# KiCad board Wonderland.kicad_pcb
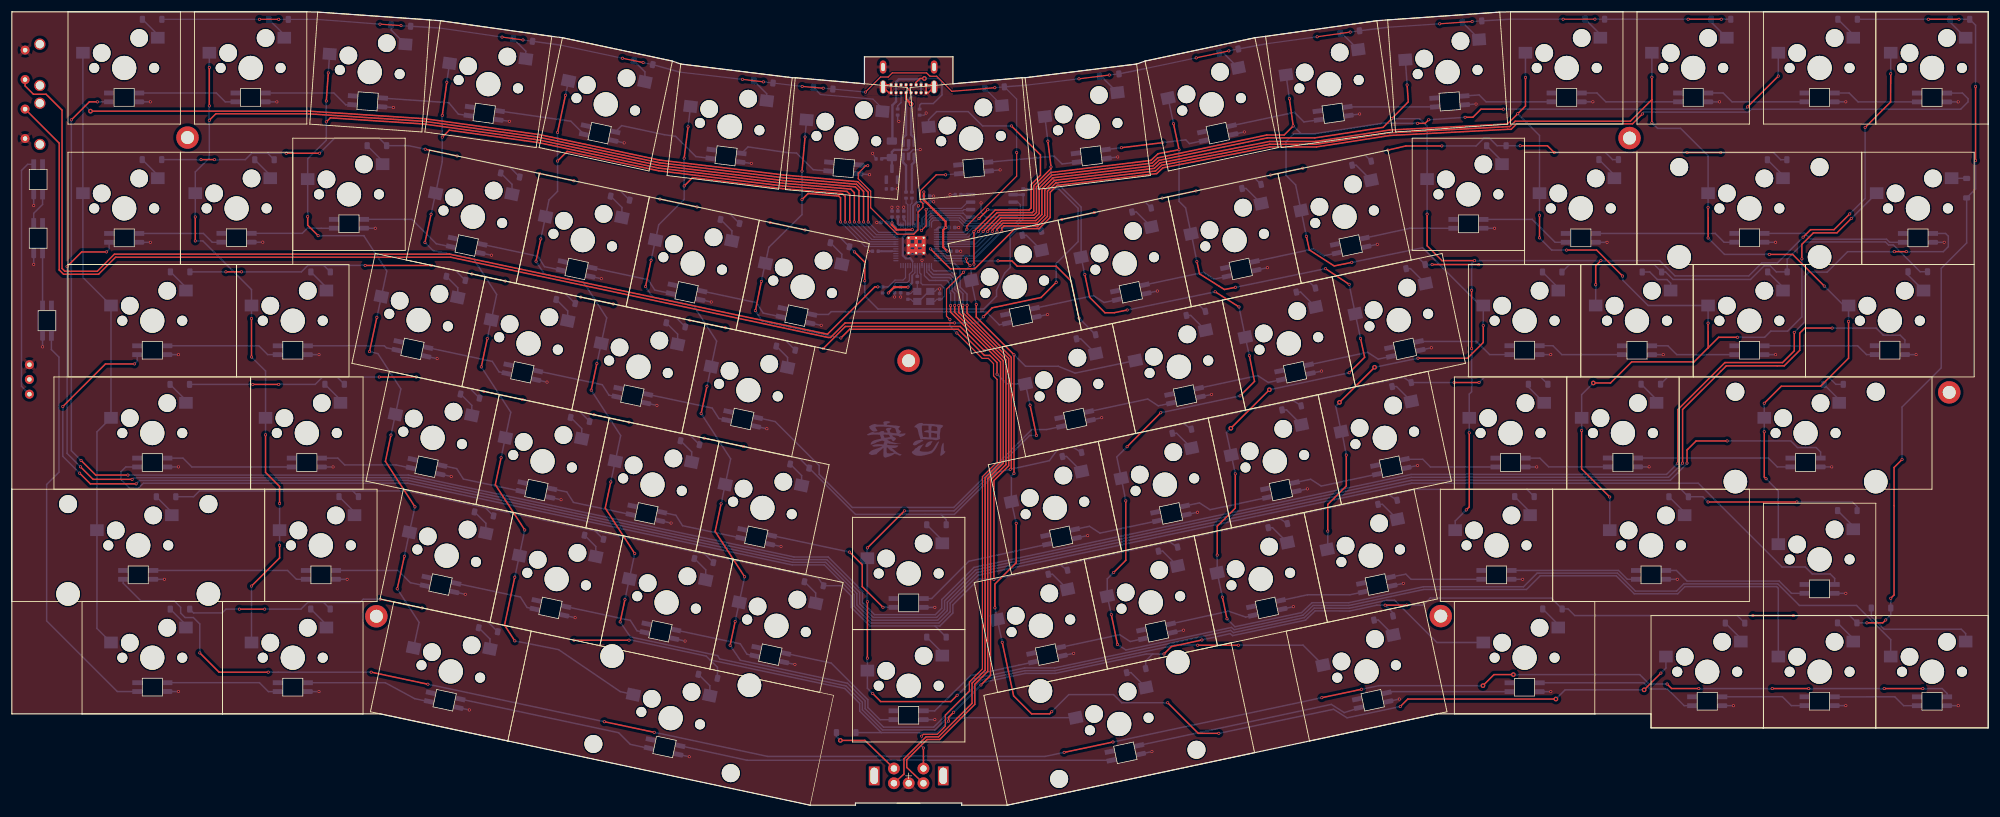
[diagram p0: board, top side]
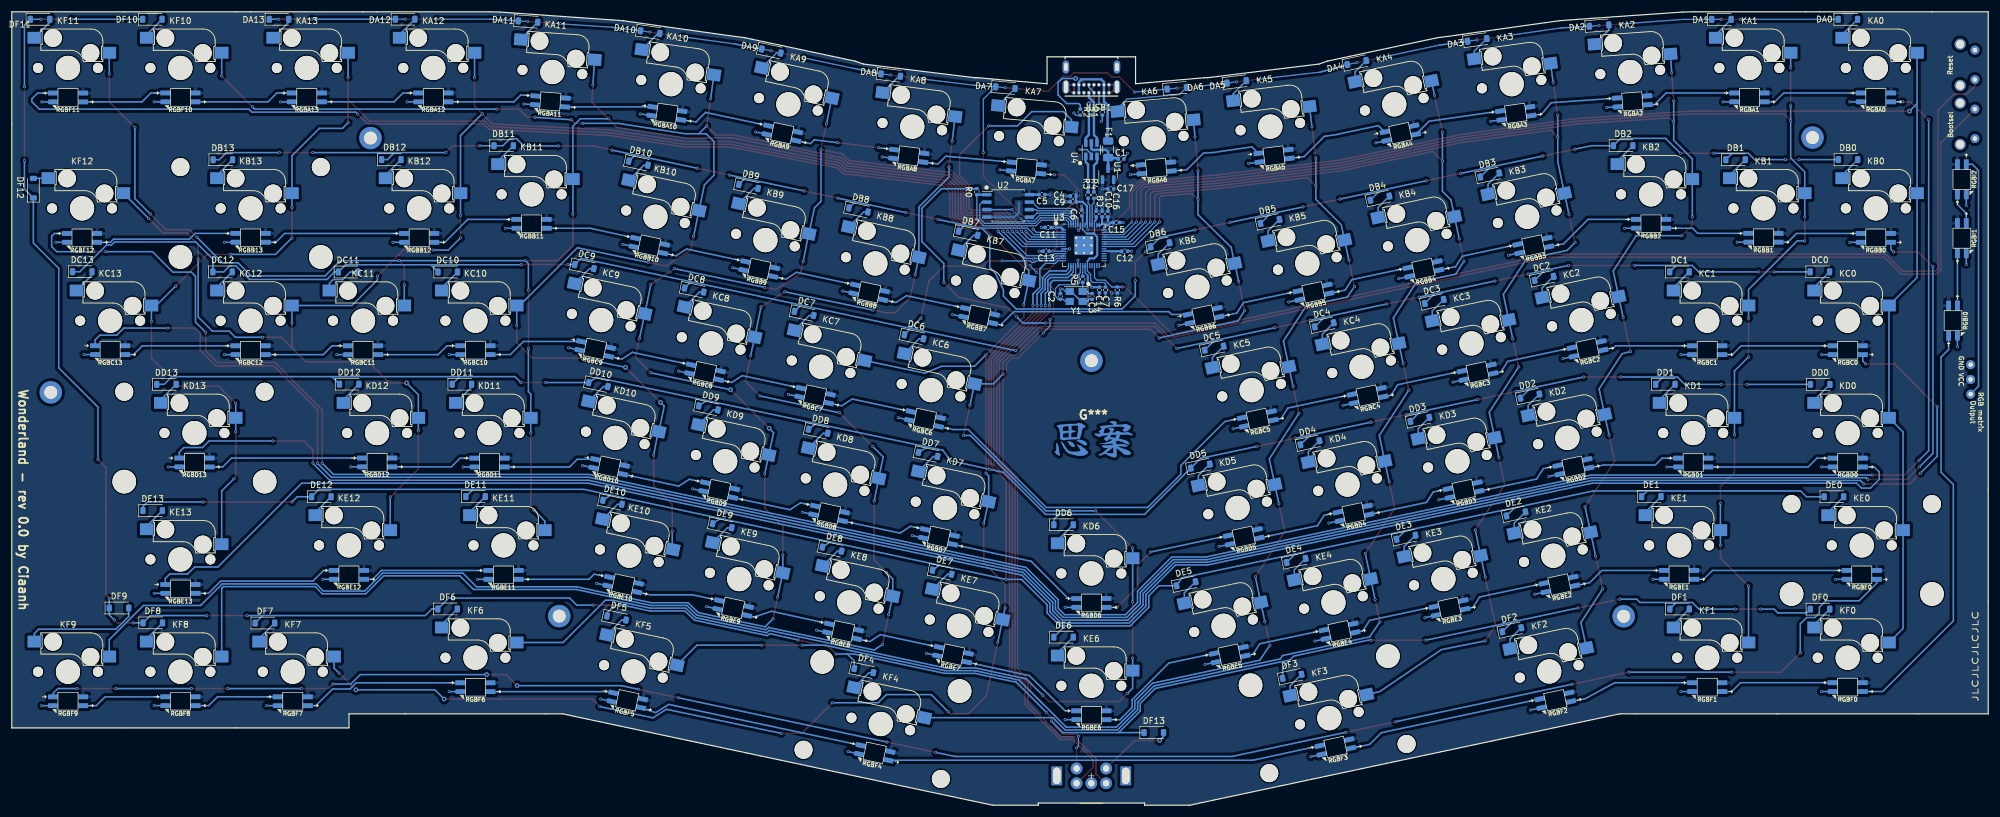
[diagram p1: board, bottom side, seen from below]

Outline 334.99 x 134.55 mm; copper layers: Top, Bottom. Coordinates in mm from the lower left corner of the outline.
Outline path: 0,134.55 0,15.49 62.45,15.49 84.07,10.89 135.32,0 143,0 143,0.38 161,0.38 161,0 168.72,0 210.65,8.91 241.58,15.49 277.84,15.49 277.84,13.11 334.99,13.11 334.99,134.55 254.03,134.55 252.2,134.5 233.2,133.17 231.38,133.04 212.51,130.38 210.7,130.15 192.07,126.19 190.65,125.69 171.75,123.37 171.25,123.37 159.52,122.35 159.52,126.92 144.52,126.92 144.52,122.35 132.79,123.37 132.29,123.37 113.38,125.69 111.97,126.19 93.34,130.15 91.53,130.38 72.66,133.04 70.84,133.17 51.84,134.5 50.01,134.55 0,134.55
Stack: Top 0.035mm / dielectric 1.51mm FR4 er 4.5 / Bottom 0.035mm

## Placement (name value [footprint] x y rotation side)
C1  1uF  [C_0402_1005Metric]  146.97 109.6 0 bottom
C2  22pF  [C_0402_1005Metric]  157.27 86.28 270 bottom
C3  22pF  [C_0402_1005Metric]  151.89 86.28 90 bottom
C4  1uF  [C_0402_1005Metric]  155.08 103.32 0 bottom
C5  100nF  [C_0402_1005Metric]  160.39 103.54 180 bottom
C6  100nF  [C_0402_1005Metric]  153.63 100.43 90 bottom
C7  100nF  [C_0402_1005Metric]  149.62 87.38 270 bottom
C8  1uF  [C_0402_1005Metric]  151.19 100.26 90 bottom
C9  100nF  [C_0402_1005Metric]  155.09 102.33 0 bottom
C10  1uF  [C_0402_1005Metric]  150.19 100.26 90 bottom
C11  100nF  [C_0402_1005Metric]  159.34 97.97 0 bottom
C12  100nF  [C_0402_1005Metric]  146.37 93.95 180 bottom
C13  100nF  [C_0402_1005Metric]  159.69 93.96 0 bottom
C14  100nF  [C_0402_1005Metric]  150.66 87.38 270 bottom
C15  100nF  [C_0402_1005Metric]  147.77 98.81 180 bottom
C16  100nF  [C_0402_1005Metric]  149.19 100.25 90 bottom
C17  10uF  [C_0402_1005Metric]  148.71 104.51 0 bottom
DA0  1N4148  [D_SOD-123]  23.79 133.27 180 bottom
DA1  1N4148  [D_SOD-123]  45.22 133.26 180 bottom
DA2  1N4148  [D_SOD-123]  65.95 132.22 176 bottom
DA3  1N4148  [D_SOD-123]  86.62 129.78 172 bottom
DA4  1N4148  [D_SOD-123]  107.01 125.94 168 bottom
DA5  1N4148  [D_SOD-123]  127.38 122.67 173 bottom
DA6  1N4148  [D_SOD-123]  137.52 121.59 175 bottom
DA7  1N4148  [D_SOD-123]  166.59 121.68 185 bottom
DA8  1N4148  [D_SOD-123]  186.02 123.82 187 bottom
DA9  1N4148  [D_SOD-123]  206.27 127.9 192 bottom
DA10  1N4148  [D_SOD-123]  226.8 131.1 188 bottom
DA11  1N4148  [D_SOD-123]  247.5 132.89 184 bottom
DA12  1N4148  [D_SOD-123]  268.33 133.29 180 bottom
DA13  1N4148  [D_SOD-123]  289.71 133.28 180 bottom
DB0  1N4148  [D_SOD-123]  23.76 109.48 180 bottom
DB1  1N4148  [D_SOD-123]  42.83 109.46 180 bottom
DB2  1N4148  [D_SOD-123]  61.88 111.85 180 bottom
DB3  1N4148  [D_SOD-123]  84.48 106.87 168 bottom
DB4  1N4148  [D_SOD-123]  103.11 102.95 168 bottom
DB5  1N4148  [D_SOD-123]  121.74 98.99 168 bottom
DB6  1N4148  [D_SOD-123]  140.36 95.04 168 bottom
DB7  1N4148  [D_SOD-123]  172.89 96.99 192 bottom
DB8  1N4148  [D_SOD-123]  191.49 100.94 192 bottom
DB9  1N4148  [D_SOD-123]  210.13 104.93 192 bottom
DB10  1N4148  [D_SOD-123]  228.79 108.88 192 bottom
DB11  1N4148  [D_SOD-123]  251.63 111.84 180 bottom
DB12  1N4148  [D_SOD-123]  270.67 109.48 180 bottom
DB13  1N4148  [D_SOD-123]  299.22 109.46 180 bottom
DC0  1N4148  [D_SOD-123]  28.54 90.45 180 bottom
DC1  1N4148  [D_SOD-123]  52.34 90.43 180 bottom
DC2  1N4148  [D_SOD-123]  75.27 89.34 168 bottom
DC3  1N4148  [D_SOD-123]  93.89 85.42 168 bottom
DC4  1N4148  [D_SOD-123]  112.54 81.47 168 bottom
DC5  1N4148  [D_SOD-123]  131.19 77.51 168 bottom
DC6  1N4148  [D_SOD-123]  182.08 79.44 192 bottom
DC7  1N4148  [D_SOD-123]  200.7 83.4 192 bottom
DC8  1N4148  [D_SOD-123]  219.34 87.36 192 bottom
DC9  1N4148  [D_SOD-123]  237.95 91.34 192 bottom
DC10  1N4148  [D_SOD-123]  261.1 90.42 180 bottom
DC11  1N4148  [D_SOD-123]  278 90.42 180 bottom
DC12  1N4148  [D_SOD-123]  299.27 90.44 180 bottom
DC13  1N4148  [D_SOD-123]  323.06 90.47 180 bottom
DD0  1N4148  [D_SOD-123]  28.48 71.36 180 bottom
DD1  1N4148  [D_SOD-123]  54.72 71.38 180 bottom
DD2  1N4148  [D_SOD-123]  77.67 69.38 168 bottom
DD3  1N4148  [D_SOD-123]  96.33 65.42 168 bottom
DD4  1N4148  [D_SOD-123]  114.96 61.47 168 bottom
DD5  1N4148  [D_SOD-123]  133.54 57.51 168 bottom
DD6  1N4148  [D_SOD-123]  156.73 47.56 180 bottom
DD7  1N4148  [D_SOD-123]  179.69 59.48 192 bottom
DD8  1N4148  [D_SOD-123]  198.32 63.42 192 bottom
DD9  1N4148  [D_SOD-123]  216.92 67.38 192 bottom
DD10  1N4148  [D_SOD-123]  235.58 71.34 192 bottom
DD11  1N4148  [D_SOD-123]  258.71 71.39 180 bottom
DD12  1N4148  [D_SOD-123]  277.81 71.4 180 bottom
DD13  1N4148  [D_SOD-123]  308.78 71.37 180 bottom
DE0  1N4148  [D_SOD-123]  26.15 52.31 180 bottom
DE1  1N4148  [D_SOD-123]  57.11 52.33 180 bottom
DE2  1N4148  [D_SOD-123]  80.04 49.4 168 bottom
DE3  1N4148  [D_SOD-123]  98.68 45.44 168 bottom
DE4  1N4148  [D_SOD-123]  117.3 41.5 168 bottom
DE5  1N4148  [D_SOD-123]  135.96 37.56 168 bottom
DE6  1N4148  [D_SOD-123]  156.73 28.5 180 bottom
DE7  1N4148  [D_SOD-123]  177.31 39.51 192 bottom
DE8  1N4148  [D_SOD-123]  195.97 43.43 192 bottom
DE9  1N4148  [D_SOD-123]  214.58 47.41 192 bottom
DE10  1N4148  [D_SOD-123]  233.19 51.37 192 bottom
DE11  1N4148  [D_SOD-123]  256.39 52.33 180 bottom
DE12  1N4148  [D_SOD-123]  282.53 52.31 180 bottom
DE13  1N4148  [D_SOD-123]  311.12 49.96 180 bottom
DF0  1N4148  [D_SOD-123]  28.51 33.25 180 bottom
DF1  1N4148  [D_SOD-123]  52.32 33.27 180 bottom
DF2  1N4148  [D_SOD-123]  80.75 29.76 168 bottom
DF3  1N4148  [D_SOD-123]  117.99 21.86 168 bottom
DF4  1N4148  [D_SOD-123]  190.58 22.83 192 bottom
DF5  1N4148  [D_SOD-123]  232.5 31.74 192 bottom
DF6  1N4148  [D_SOD-123]  261.13 33.28 180 bottom
DF7  1N4148  [D_SOD-123]  292.09 30.89 180 bottom
DF8  1N4148  [D_SOD-123]  311.1 30.92 180 bottom
DF9  1N4148  [D_SOD-123]  316.83 33.44 180 bottom
DF10  1N4148  [D_SOD-123]  311.17 133.28 180 bottom
DF11  1N4148  [D_SOD-123]  330.21 133.27 180 bottom
DF12  1N4148  [D_SOD-123]  331.34 104.64 90 bottom
DF13  1N4148  [D_SOD-123]  141.43 12.31 180 bottom
F1  500mA  [Fuse_1206_3216Metric]  149.17 111.23 270 bottom
G***  LOGO  [signature]  151.66 62.07 180 bottom
J3  Conn_01x03  [conn_3pins]  2.98 72.2 90 top
JUSB1  USB Port  [GCT_USB4085-GF-A_REVA4]  152 124.85 0 bottom
KA0  CPG151101S11-1  [SW_Cherry_MX_1.00u_Hotswap]  9.53 134.55 0 top
KA1  CPG151101S11-1  [SW_Cherry_MX_1.00u_Hotswap]  30.96 134.55 0 top
KA2  CPG151101S11-1  [SW_Cherry_MX_1.00u_Hotswap]  51.84 134.5 356 top
KA3  CPG151101S11-1  [SW_Cherry_MX_1.00u_Hotswap]  72.66 133.04 352 top
KA4  CPG151101S11-1  [SW_Cherry_MX_1.00u_Hotswap]  93.34 130.15 348 top
KA5  CPG151101S11-1  [SW_Cherry_MX_1.00u_Hotswap]  113.38 125.69 353 top
KA6  CPG151101S11-1  [SW_Cherry_MX_1.00u_Hotswap]  132.79 123.37 355 top
KA7  CPG151101S11-1  [SW_Cherry_MX_1.00u_Hotswap]  152.27 121.71 5 top
KA8  CPG151101S11-1  [SW_Cherry_MX_1.00u_Hotswap]  171.75 123.37 7 top
KA9  CPG151101S11-1  [SW_Cherry_MX_1.00u_Hotswap]  192.07 126.19 12 top
KA10  CPG151101S11-1  [SW_Cherry_MX_1.00u_Hotswap]  212.51 130.38 8 top
KA11  CPG151101S11-1  [SW_Cherry_MX_1.00u_Hotswap]  233.2 133.17 4 top
KA12  CPG151101S11-1  [SW_Cherry_MX_1.00u_Hotswap]  254.03 134.55 0 top
KA13  CPG151101S11-1  [SW_Cherry_MX_1.00u_Hotswap]  275.46 134.55 0 top
KB0  CPG151101S11-1  [SW_Cherry_MX_1.00u_Hotswap]  9.53 110.74 0 top
KB1  CPG151101S11-1  [SW_Cherry_MX_1.00u_Hotswap]  28.58 110.74 0 top
KB2  CPG151101S11-1  [SW_Cherry_MX_1.00u_Hotswap]  47.62 113.12 0 top
KB3  CPG151101S11-1  [SW_Cherry_MX_1.00u_Hotswap]  70.8 111.09 348 top
KB4  CPG151101S11-1  [SW_Cherry_MX_1.00u_Hotswap]  89.44 107.13 348 top
KB5  CPG151101S11-1  [SW_Cherry_MX_1.00u_Hotswap]  108.07 103.17 348 top
KB6  CPG151101S11-1  [SW_Cherry_MX_1.00u_Hotswap]  126.71 99.21 348 top
KB7  CPG151101S11-1  [SW_Cherry_MX_1.00u_Hotswap]  158.7 95.25 12 top
KB8  CPG151101S11-1  [SW_Cherry_MX_1.00u_Hotswap]  177.33 99.21 12 top
KB9  CPG151101S11-1  [SW_Cherry_MX_1.00u_Hotswap]  195.97 103.17 12 top
KB10  CPG151101S11-1  [SW_Cherry_MX_1.00u_Hotswap]  214.6 107.13 12 top
KB11  CPG151101S11-1  [SW_Cherry_MX_1.00u_Hotswap]  237.36 113.12 0 top
KB12  CPG151101S11-1  [SW_Cherry_MX_1.00u_Hotswap]  256.41 110.74 0 top
KB13  CPG151101S11-1  [SW_Cherry_MX_2.00u_Hotswap]  275.46 110.74 0 top
KC0  CPG151101S11-1  [SW_Cherry_MX_1.50u_Hotswap]  9.53 91.69 0 top
KC1  CPG151101S11-1  [SW_Cherry_MX_1.00u_Hotswap]  38.1 91.69 0 top
KC2  CPG151101S11-1  [SW_Cherry_MX_1.00u_Hotswap]  61.61 93.57 348 top
KC3  CPG151101S11-1  [SW_Cherry_MX_1.00u_Hotswap]  80.24 89.61 348 top
KC4  CPG151101S11-1  [SW_Cherry_MX_1.00u_Hotswap]  98.88 85.65 348 top
KC5  CPG151101S11-1  [SW_Cherry_MX_1.00u_Hotswap]  117.51 81.69 348 top
KC6  CPG151101S11-1  [SW_Cherry_MX_1.00u_Hotswap]  167.89 77.73 12 top
KC7  CPG151101S11-1  [SW_Cherry_MX_1.00u_Hotswap]  186.53 81.69 12 top
KC8  CPG151101S11-1  [SW_Cherry_MX_1.00u_Hotswap]  205.16 85.65 12 top
KC9  CPG151101S11-1  [SW_Cherry_MX_1.00u_Hotswap]  223.79 89.61 12 top
KC10  CPG151101S11-1  [SW_Cherry_MX_1.00u_Hotswap]  246.89 91.69 0 top
KC11  CPG151101S11-1  [SW_Cherry_MX_1.00u_Hotswap]  265.94 91.69 0 top
KC12  CPG151101S11-1  [SW_Cherry_MX_1.00u_Hotswap]  284.99 91.69 0 top
KC13  CPG151101S11-1  [SW_Cherry_MX_1.50u_Hotswap]  304.04 91.69 0 top
KD0  CPG151101S11-1  [SW_Cherry_MX_1.75u_Hotswap]  7.14 72.64 0 top
KD1  CPG151101S11-1  [SW_Cherry_MX_1.00u_Hotswap]  40.48 72.64 0 top
KD2  CPG151101S11-1  [SW_Cherry_MX_1.00u_Hotswap]  63.99 73.59 348 top
KD3  CPG151101S11-1  [SW_Cherry_MX_1.00u_Hotswap]  82.63 69.63 348 top
KD4  CPG151101S11-1  [SW_Cherry_MX_1.00u_Hotswap]  101.26 65.67 348 top
KD5  CPG151101S11-1  [SW_Cherry_MX_1.00u_Hotswap]  119.89 61.71 348 top
KD6  CPG151101S11-1  [SW_Cherry_MX_1.00u_Hotswap]  142.49 48.83 0 top
KD7  CPG151101S11-1  [SW_Cherry_MX_1.00u_Hotswap]  165.51 57.74 12 top
KD8  CPG151101S11-1  [SW_Cherry_MX_1.00u_Hotswap]  184.14 61.71 12 top
KD9  CPG151101S11-1  [SW_Cherry_MX_1.00u_Hotswap]  202.78 65.67 12 top
KD10  CPG151101S11-1  [SW_Cherry_MX_1.00u_Hotswap]  221.41 69.63 12 top
KD11  CPG151101S11-1  [SW_Cherry_MX_1.00u_Hotswap]  244.51 72.64 0 top
KD12  CPG151101S11-1  [SW_Cherry_MX_1.00u_Hotswap]  263.56 72.64 0 top
KD13  CPG151101S11-1  [SW_Cherry_MX_2.25u_Hotswap]  282.61 72.64 0 top
KE0  CPG151101S11-1  [SW_Cherry_MX_2.25u_Hotswap]  0 53.59 0 top
KE1  CPG151101S11-1  [SW_Cherry_MX_1.00u_Hotswap]  42.86 53.59 0 top
KE2  CPG151101S11-1  [SW_Cherry_MX_1.00u_Hotswap]  66.37 53.61 348 top
KE3  CPG151101S11-1  [SW_Cherry_MX_1.00u_Hotswap]  85.01 49.64 348 top
KE4  CPG151101S11-1  [SW_Cherry_MX_1.00u_Hotswap]  103.64 45.68 348 top
KE5  CPG151101S11-1  [SW_Cherry_MX_1.00u_Hotswap]  122.27 41.72 348 top
KE6  CPG151101S11-1  [SW_Cherry_MX_1.00u_Hotswap]  142.49 29.78 0 top
KE7  CPG151101S11-1  [SW_Cherry_MX_1.00u_Hotswap]  163.13 37.76 12 top
KE8  CPG151101S11-1  [SW_Cherry_MX_1.00u_Hotswap]  181.76 41.72 12 top
KE9  CPG151101S11-1  [SW_Cherry_MX_1.00u_Hotswap]  200.4 45.68 12 top
KE10  CPG151101S11-1  [SW_Cherry_MX_1.00u_Hotswap]  219.03 49.64 12 top
KE11  CPG151101S11-1  [SW_Cherry_MX_1.00u_Hotswap]  242.12 53.59 0 top
KE12  CPG151101S11-1  [SW_Cherry_MX_1.75u_Hotswap]  261.17 53.59 0 top
KE13  CPG151101S11-1  [SW_Cherry_MX_1.00u_Hotswap]  296.89 51.21 0 top
KF0  CPG151101S11-1  [SW_Cherry_MX_1.25u_Hotswap]  11.91 34.54 0 top
KF1  CPG151101S11-1  [SW_Cherry_MX_1.25u_Hotswap]  35.72 34.54 0 top
KF2  CPG151101S11-1  [SW_Cherry_MX_1.25u_Hotswap]  64.74 34.48 348 top
KF3  CPG151101S11-1  [SW_Cherry_MX_2.75u_Hotswap_Reversed]  88.03 29.53 348 top
KF4  CPG151101S11-1  [SW_Cherry_MX_2.25u_Hotswap_Reversed]  164.76 18.63 12 top
KF5  CPG151101S11-1  [SW_Cherry_MX_1.25u_Hotswap]  216 29.53 12 top
KF6  CPG151101S11-1  [SW_Cherry_MX_1.25u_Hotswap]  244.51 34.54 0 top
KF7  CPG151101S11-1  [SW_Cherry_MX_1.00u_Hotswap]  277.84 32.16 0 top
KF8  CPG151101S11-1  [SW_Cherry_MX_1.00u_Hotswap]  296.89 32.16 0 top
KF9  CPG151101S11-1  [SW_Cherry_MX_1.00u_Hotswap]  315.94 32.16 0 top
KF10  CPG151101S11-1  [SW_Cherry_MX_1.00u_Hotswap]  296.89 134.55 0 top
KF11  CPG151101S11-1  [SW_Cherry_MX_1.00u_Hotswap]  315.94 134.55 0 top
KF12  CPG151101S11-1  [SW_Cherry_MX_1.00u_Hotswap]  313.56 110.74 0 top
MountTopMiddle1  MountingHole  [MountingHole_2.2mm_M2_Pad]  29.78 113.22 0 top
MountTopMiddle2  MountingHole  [MountingHole_2.2mm_M2_Pad]  61.79 32.04 0 top
MountTopMiddle3  MountingHole  [MountingHole_2.2mm_M2_Pad]  152 75.38 0 top
MountTopMiddle4  MountingHole  [MountingHole_2.2mm_M2_Pad]  242.2 32.07 0 top
MountTopMiddle5  MountingHole  [MountingHole_2.2mm_M2_Pad]  274.2 113.14 0 top
MountTopMiddle6  MountingHole  [MountingHole_2.2mm_M2_Pad]  328.39 70.01 0 top
R0  1k  [R_0402_1005Metric]  171.42 104.04 270 bottom
R1  5k1  [R_0402_1005Metric]  150.15 117.55 90 bottom
R2  5k1  [R_0402_1005Metric]  153.88 117.53 90 bottom
R3  27  [R_0402_1005Metric]  152.57 103.46 270 bottom
R4  27  [R_0402_1005Metric]  151.57 103.45 270 bottom
R5  1k  [R_0402_1005Metric]  153.48 89.18 90 bottom
R6  1k  [R_0402_1005Metric]  147.61 87.38 90 bottom
RGBA0  SK6812MINI-E  [SK6812-MINI-E_back]  19.04 120.03 0 top
RGBA1  SK6812MINI-E  [SK6812-MINI-E_back]  40.48 120.03 0 top
RGBA2  SK6812MINI-E  [SK6812-MINI-E_back]  60.31 119.36 356 top
RGBA3  SK6812MINI-E  [SK6812-MINI-E_back]  80.07 117.33 352 top
RGBA4  SK6812MINI-E  [SK6812-MINI-E_back]  99.64 113.97 348 top
RGBA5  SK6812MINI-E  [SK6812-MINI-E_back]  121.06 110.12 353 top
RGBA6  SK6812MINI-E  [SK6812-MINI-E_back]  141.02 108.07 355 top
RGBA7  SK6812MINI-E  [SK6812-MINI-E_back]  163.02 108.07 5 top
RGBA8  SK6812MINI-E  [SK6812-MINI-E_back]  182.97 110.12 7 top
RGBA9  SK6812MINI-E  [SK6812-MINI-E_back]  204.41 113.97 12 top
RGBA10  SK6812MINI-E  [SK6812-MINI-E_back]  223.97 117.33 8 top
RGBA11  SK6812MINI-E  [SK6812-MINI-E_back]  243.72 119.35 4 top
RGBA12  SK6812MINI-E  [SK6812-MINI-E_back]  263.55 120.03 0 top
RGBA13  SK6812MINI-E  [SK6812-MINI-E_back]  284.99 120.03 0 top
RGBB0  SK6812MINI-E  [SK6812-MINI-E_back]  19.05 96.21 0 top
RGBB1  SK6812MINI-E  [SK6812-MINI-E_back]  38.1 96.23 0 top
RGBB2  SK6812MINI-E  [SK6812-MINI-E_back]  57.15 98.6 0 top
RGBB3  SK6812MINI-E  [SK6812-MINI-E_back]  77.1 94.91 348 top
RGBB4  SK6812MINI-E  [SK6812-MINI-E_back]  95.74 90.94 348 top
RGBB5  SK6812MINI-E  [SK6812-MINI-E_back]  114.37 86.98 348 top
RGBB6  SK6812MINI-E  [SK6812-MINI-E_back]  133 83.02 348 top
RGBB7  SK6812MINI-E  [SK6812-MINI-E_back]  171.04 83.02 12 top
RGBB8  SK6812MINI-E  [SK6812-MINI-E_back]  189.67 86.99 12 top
RGBB9  SK6812MINI-E  [SK6812-MINI-E_back]  208.31 90.94 12 top
RGBB10  SK6812MINI-E  [SK6812-MINI-E_back]  226.94 94.91 12 top
RGBB11  SK6812MINI-E  [SK6812-MINI-E_back]  246.89 98.59 0 top
RGBB12  SK6812MINI-E  [SK6812-MINI-E_back]  265.95 96.21 0 top
RGBB13  SK6812MINI-E  [SK6812-MINI-E_back]  294.52 96.22 0 top
RGBC0  SK6812MINI-E  [SK6812-MINI-E_back]  23.81 77.16 0 top
RGBC1  SK6812MINI-E  [SK6812-MINI-E_back]  47.63 77.16 0 top
RGBC2  SK6812MINI-E  [SK6812-MINI-E_back]  67.91 77.38 348 top
RGBC3  SK6812MINI-E  [SK6812-MINI-E_back]  86.54 73.42 348 top
RGBC4  SK6812MINI-E  [SK6812-MINI-E_back]  105.18 69.46 348 top
RGBC5  SK6812MINI-E  [SK6812-MINI-E_back]  123.81 65.5 348 top
RGBC6  SK6812MINI-E  [SK6812-MINI-E_back]  180.23 65.5 12 top
RGBC7  SK6812MINI-E  [SK6812-MINI-E_back]  198.86 69.46 12 top
RGBC8  SK6812MINI-E  [SK6812-MINI-E_back]  217.5 73.43 12 top
RGBC9  SK6812MINI-E  [SK6812-MINI-E_back]  236.13 77.38 12 top
RGBC10  SK6812MINI-E  [SK6812-MINI-E_back]  256.41 77.17 0 top
RGBC11  SK6812MINI-E  [SK6812-MINI-E_back]  275.47 77.16 0 top
RGBC12  SK6812MINI-E  [SK6812-MINI-E_back]  294.52 77.16 0 top
RGBC13  SK6812MINI-E  [SK6812-MINI-E_back]  318.33 77.17 0 top
RGBD0  SK6812MINI-E  [SK6812-MINI-E_back]  23.81 58.11 0 top
RGBD1  SK6812MINI-E  [SK6812-MINI-E_back]  50.01 58.11 0 top
RGBD2  SK6812MINI-E  [SK6812-MINI-E_back]  70.3 57.4 348 top
RGBD3  SK6812MINI-E  [SK6812-MINI-E_back]  88.92 53.45 348 top
RGBD4  SK6812MINI-E  [SK6812-MINI-E_back]  107.56 49.49 348 top
RGBD5  SK6812MINI-E  [SK6812-MINI-E_back]  126.19 45.52 348 top
RGBD6  SK6812MINI-E  [SK6812-MINI-E_back]  152.02 34.3 0 top
RGBD7  SK6812MINI-E  [SK6812-MINI-E_back]  177.85 45.52 12 top
RGBD8  SK6812MINI-E  [SK6812-MINI-E_back]  196.48 49.48 12 top
RGBD9  SK6812MINI-E  [SK6812-MINI-E_back]  215.11 53.45 12 top
RGBD10  SK6812MINI-E  [SK6812-MINI-E_back]  233.75 57.41 12 top
RGBD11  SK6812MINI-E  [SK6812-MINI-E_back]  254.03 58.11 0 top
RGBD12  SK6812MINI-E  [SK6812-MINI-E_back]  273.08 58.13 0 top
RGBD13  SK6812MINI-E  [SK6812-MINI-E_back]  304.04 58.12 0 top
RGBE0  SK6812MINI-E  [SK6812-MINI-E_back]  21.43 39.06 0 top
RGBE1  SK6812MINI-E  [SK6812-MINI-E_back]  52.4 39.06 0 top
RGBE2  SK6812MINI-E  [SK6812-MINI-E_back]  72.67 37.42 348 top
RGBE3  SK6812MINI-E  [SK6812-MINI-E_back]  91.3 33.46 348 top
RGBE4  SK6812MINI-E  [SK6812-MINI-E_back]  109.94 29.5 348 top
RGBE5  SK6812MINI-E  [SK6812-MINI-E_back]  128.57 25.53 348 top
RGBE6  SK6812MINI-E  [SK6812-MINI-E_back]  152.01 15.26 0 top
RGBE7  SK6812MINI-E  [SK6812-MINI-E_back]  175.47 25.54 12 top
RGBE8  SK6812MINI-E  [SK6812-MINI-E_back]  194.1 29.49 12 top
RGBE9  SK6812MINI-E  [SK6812-MINI-E_back]  212.73 33.46 12 top
RGBE10  SK6812MINI-E  [SK6812-MINI-E_back]  231.37 37.42 12 top
RGBE11  SK6812MINI-E  [SK6812-MINI-E_back]  251.65 39.06 0 top
RGBE12  SK6812MINI-E  [SK6812-MINI-E_back]  277.85 39.06 0 top
RGBE13  SK6812MINI-E  [SK6812-MINI-E_back]  306.42 36.68 0 top
RGBF0  SK6812MINI-E  [SK6812-MINI-E_back]  23.82 20.03 0 top
RGBF1  SK6812MINI-E  [SK6812-MINI-E_back]  47.63 20.02 0 top
RGBF2  SK6812MINI-E  [SK6812-MINI-E_back]  73.37 17.8 348 top
RGBF3  SK6812MINI-E  [SK6812-MINI-E_back]  110.64 9.88 348 top
RGBF4  SK6812MINI-E  [SK6812-MINI-E_back]  188.74 8.89 12 top
RGBF5  SK6812MINI-E  [SK6812-MINI-E_back]  230.67 17.8 12 top
RGBF6  SK6812MINI-E  [SK6812-MINI-E_back]  256.42 20.01 0 top
RGBF7  SK6812MINI-E  [SK6812-MINI-E_back]  287.37 17.63 0 top
RGBF8  SK6812MINI-E  [SK6812-MINI-E_back]  306.42 17.64 0 top
RGBF9  SK6812MINI-E  [SK6812-MINI-E_back]  325.47 17.63 0 top
RGBF10  SK6812MINI-E  [SK6812-MINI-E_back]  306.42 120.03 0 top
RGBF11  SK6812MINI-E  [SK6812-MINI-E_back]  325.47 120.02 0 top
RGBF12  SK6812MINI-E  [SK6812-MINI-E_back]  323.09 96.21 0 top
RGBI0  SK6812MINI-E  [SK6812-MINI-E_back]  5.96 82.16 270 top
RGBI1  SK6812MINI-E  [SK6812-MINI-E_back]  4.46 96.15 270 top
RGBI2  SK6812MINI-E  [SK6812-MINI-E_back]  4.46 106.13 270 top
RSW1  -  [SW_RST]  2.25 115.55 90 top
RSW2  -  [SW_RST]  2.25 125.55 90 top
SW1  Rotary_Encoder_Switch  [RotaryEncoder_EC11-Switch_Horizontal_H15mm]  152.02 4.98 270 top
U1  XC6206PxxxMR-Regulator_Linear  [SOT-23]  149.18 107.02 90 bottom
U2  W25Q32JVS  [SOIC-8_5.23x5.23mm_P1.27mm]  166.12 101.64 180 bottom
U3  RP2040  [RP2040-QFN-56]  153.28 94.95 180 bottom
U4  USBLC6-2SC6  [SOT-23-6]  152.01 111.16 90 bottom
Y1  12MHz Crystal 3225  [Crystal_SMD_3225-4Pin_3.2x2.5mm]  154.58 86.28 0 bottom

## Library data of the parts
C1 C4 C8 C10 = -: Description: Unpolarized capacitor, small symbol; LCSC: C52923
C2 C3 = -: Description: Unpolarized capacitor, small symbol; LCSC: C1555
C5-C7 C9 C11-C16 = -: Description: Unpolarized capacitor, small symbol; LCSC: C1525
C17 = -: Description: Unpolarized capacitor, small symbol; LCSC: C15525
F1 = -: Description: Resettable fuse, polymeric positive temperature coefficient, small symbol; LCSC: C70076
JUSB1 = -: MANUFACTURER: Global Connector Technology; MAXIMUM_PACKAGE_HEIGHT: 3.46mm; PARTREV: A4; STANDARD: Manufacturer Recommendations
KB13 KC0 KC13 KD0 KE12 KF0-KF6 = -: Field4: D?
KD13 KE0 = -: Field4: D?; Field5: D?
R0 R5 R6 = -: Description: Resistor, small symbol; LCSC: C11702
R1 R2 = -: Description: Resistor, small symbol; LCSC: C25905
R3 R4 = -: Description: Resistor, small symbol; LCSC: C25190
U1 = -: Description: SMD LDO regulator family; LCSC: C5446
U2 = -: Description: 128Mb Serial Flash Memory, Standard/Dual/Quad SPI, SOIC-8
U4 = -: Description: Very low capacitance ESD protection diode, 2 data-line, SOT-23-6; LCSC: C2827654
Y1 = -: Description: Four pin crystal, GND on pins 2 and 4, small symbol; LCSC: C9002
